# Altium PCB QCPower Rev A.PcbDoc (part 4 of 5) (continued)
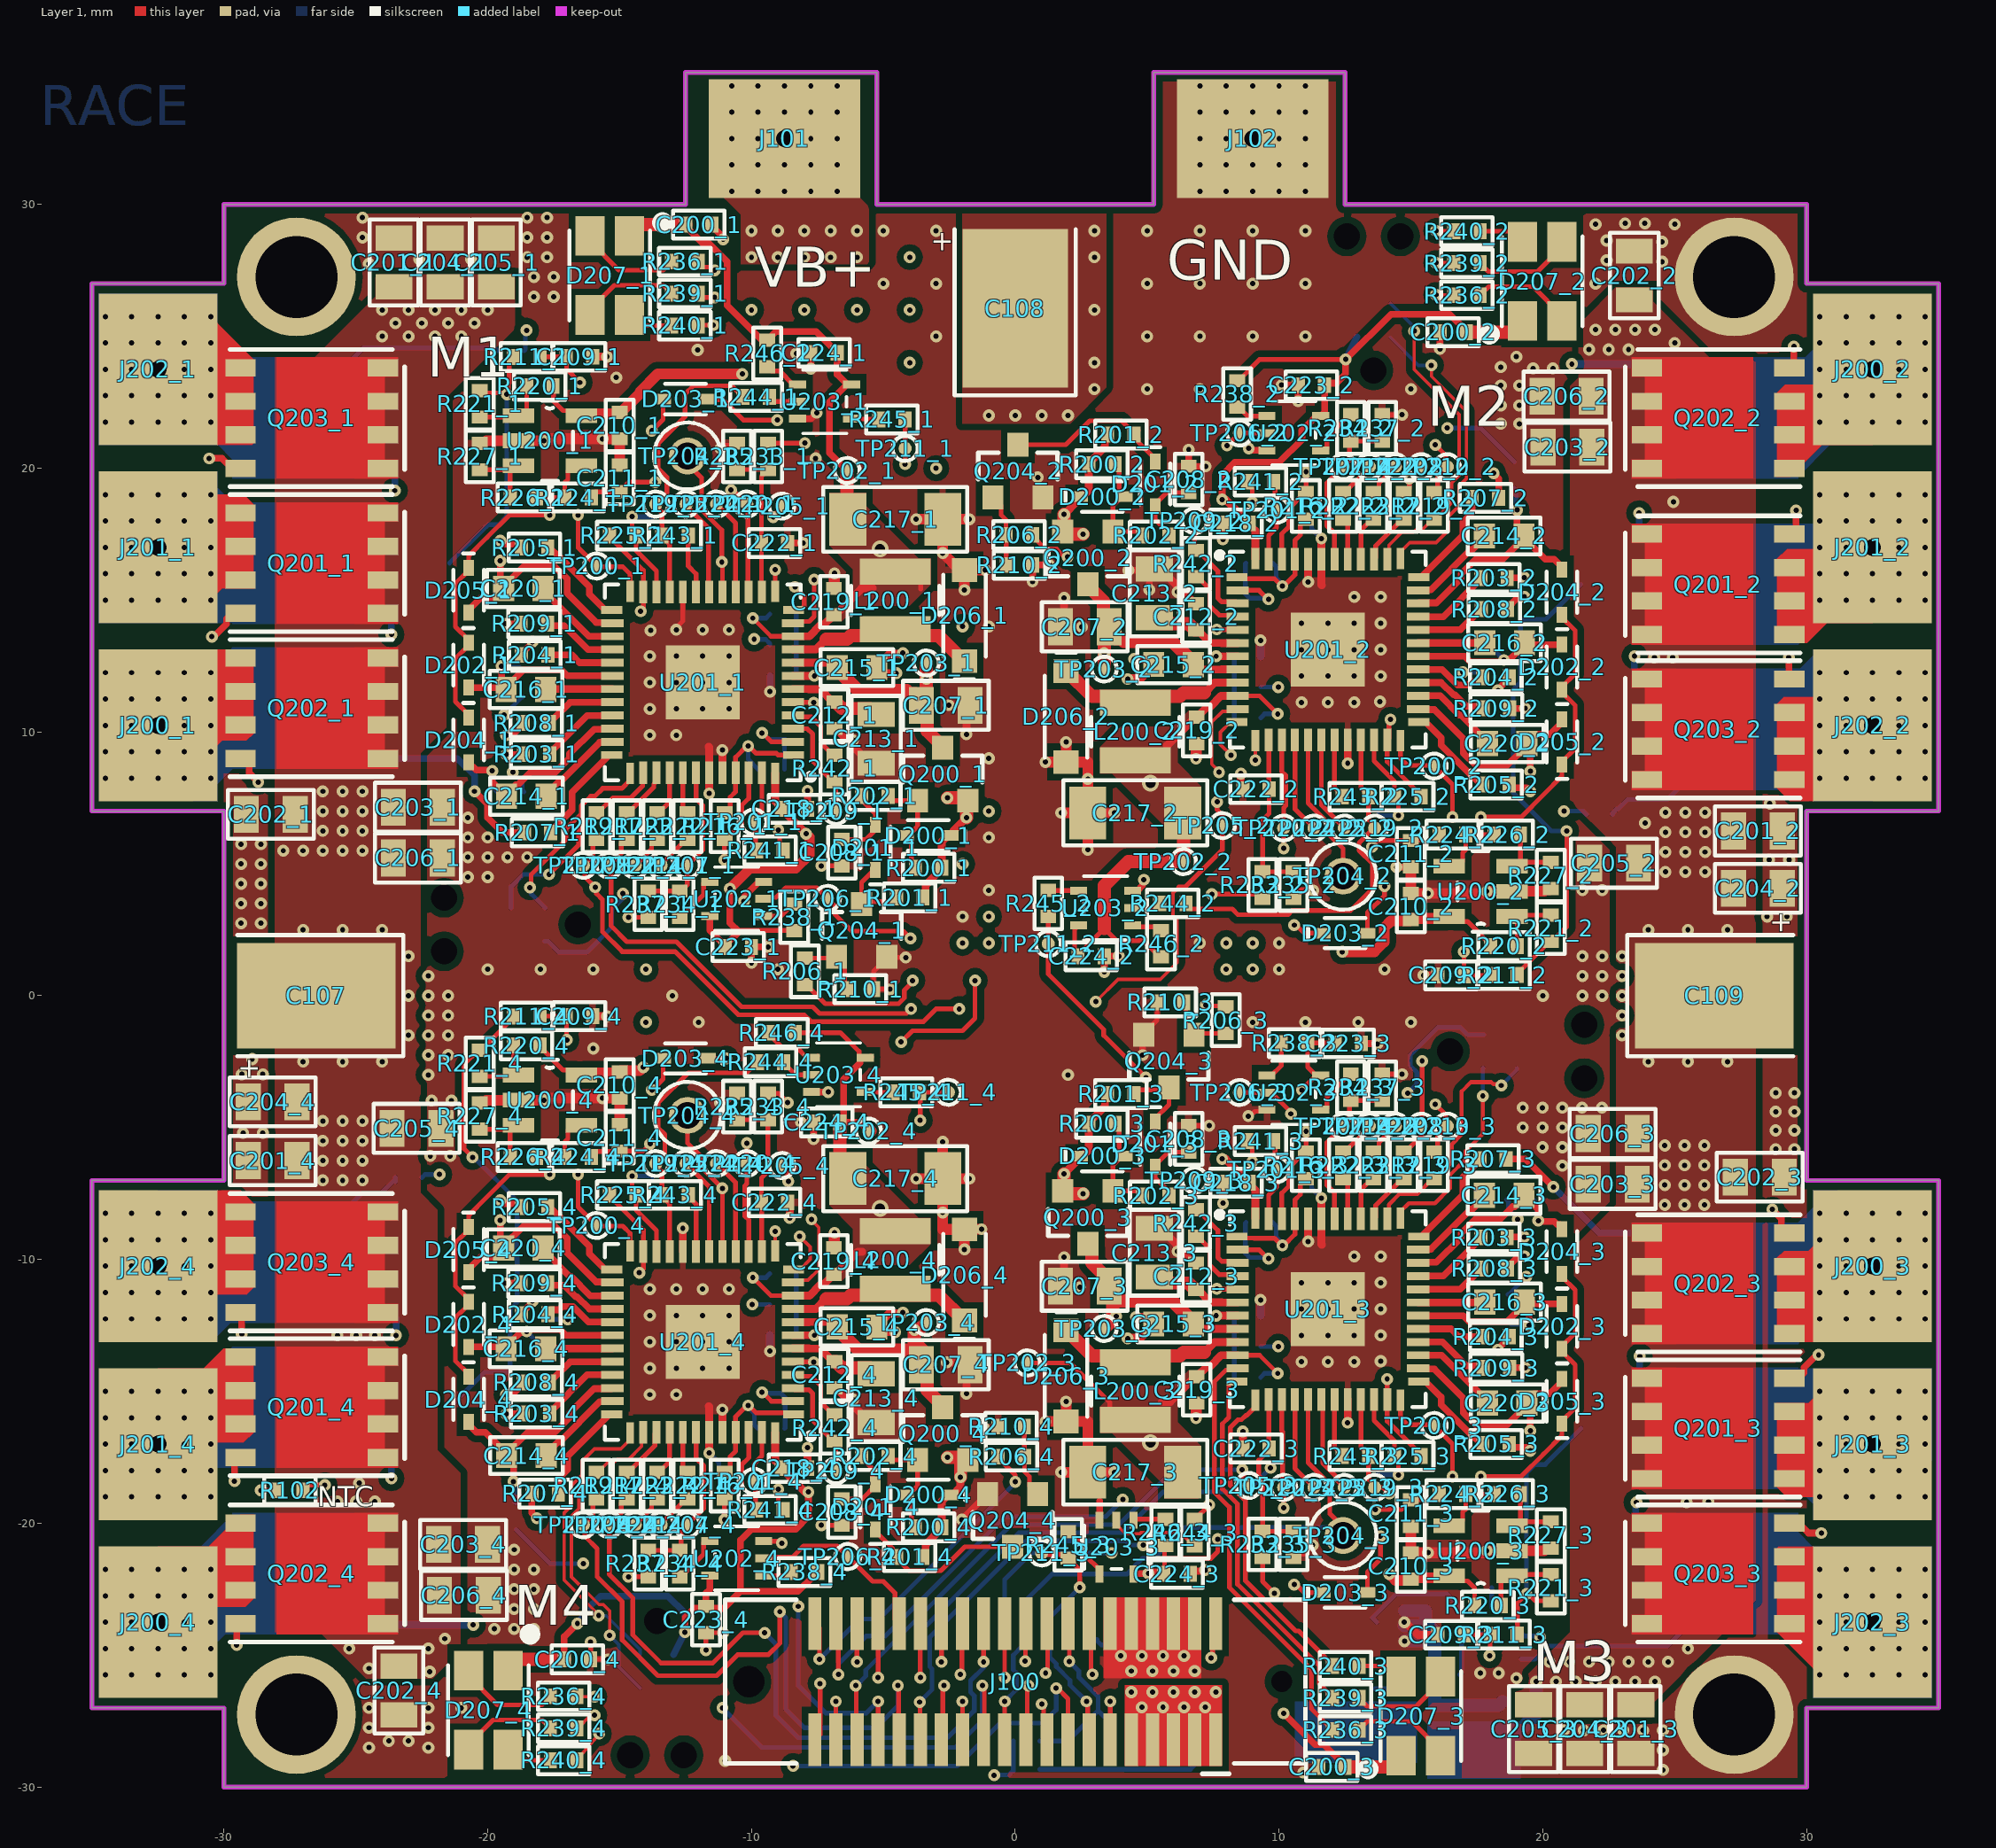
[diagram p0: Layer 1 view]
## Nets (pads, with @x,y where several pads share a name; then routed paths per layer and width w, separated by ;. In a path a pad name is that pad's centre, name@x,y a point inside that pad or via, vN(x,y) a via of type N, cw(c..) or ccw(c..) an arc to the next point about the centre after c; other vN are vias at no path point) (continued)
  Layer 1 w0.178: R233_4.1@-9.375,-3.7 -9.373,-3.702 -8.973,-3.702 v2(-8.625,-4.05) ; R233_1.1@-9.375,20.95 v2(-7.975,20.95) ; v2(7.425,-25.101) 7.477,-25.049 7.477,-23.923 J100.2@7.6,-23.8 ; v2(7.45,3.85) 9.175,3.85 9.325,3.7 R233_2.1@9.375,3.7 ; R233_3.1@9.375,-21.3 9.375,-22.2 v2(9.825,-22.65)
  Layer 1 w0.3: R201_4.1@-3.5,-21.275 -3.4,-21.175 -3.4,-20.809 -2.788,-20.198 -2.788,-19.164 -2.55,-18.925 -2.378,-18.925 -2.075,-18.622 v2(-2.075,-18.251) ; R201_1.1@-3.5,3.725 -3.4,3.825 -3.4,4.191 -2.788,4.802 R200_1.1@-2.788,4.852 -2.788,5.836 -2.55,6.075 D200_1.K@-2.448,6.075 -2.378,6.075 -2.327,6.125 -2.327,6.273 v2(-1.85,6.75) ; v2(1.85,-6.75) 2.327,-6.273 2.327,-6.125 2.378,-6.075 2.55,-6.075 2.788,-5.836 2.788,-4.802 3.4,-4.191 3.4,-3.825 R201_3.1@3.5,-3.725 ; v2(1.85,18.25) 2.327,18.727 2.327,18.875 2.378,18.925 D200_2.K@2.448,18.925 2.55,18.925 2.788,19.164 2.788,20.198 3.4,20.809 3.4,21.175 R201_2.1@3.5,21.275
  Layer 1 w0.5: v2(-2.575,-17.5) -1.8,-17.5 -2.075,-17.775 v2(-2.075,-18.251) ; v2(-2.575,7.5) -1.8,7.5 -1.85,7.45 v2(-1.85,6.75) ; v2(1.85,-6.75) 1.85,-7.45 1.8,-7.5 v2(2.575,-7.5) ; v2(1.85,18.25) 1.85,17.55 1.8,17.5 v2(2.575,17.5)
  Layer 6 w0.508: C100.1@18.466,-28.611 18.691,-28.611 18.912,-28.39 18.912,-28.165 18.925,-28.152 18.925,-28.05 19.75,-27.225 v1(19.75,-26)
  other v1: 20.5,-26 21.25,-26 22,-26 22.75,-26 23.5,-26 24.25,-26 -22.2,-25.625 -24.5,-25.5 20.25,-25.25 21,-25.25 21.75,-25.25 22.5,-25.25 23.25,-25.25 24,-25.25 24.75,-25.25 -25.25,-24.75 -22.25,-24.75 25.5,-24.75 -21.625,-24.375 25.45,-19.2 -25.7,-19.175 -24.988,-19.175 -24.275,-19.175 26.275,-19.175 -24.875,-18.475 -25.7,-12.875 -24.988,-12.875 -24.275,-12.875 24.625,-7.925 25.375,-7.925 26.125,-7.925 24.625,-7.175 25.375,-7.175 26.125,-7.175 -26.25,-7 -25.5,-7 -24.75,-7 24.625,-6.425 25.375,-6.425 26.125,-6.425 -26.25,-6.25 -25.5,-6.25 -24.75,-6.25 24.625,-5.675 25.375,-5.675 26.125,-5.675 -26.25,-5.5 -25.5,-5.5 -24.75,-5.5 -26.25,-4.75 -25.5,-4.75 -24.75,-4.75 -27,-2.5 -25.5,-2.5 -24,-2.5 24,-2.5 25.5,-2.5 27,-2.5 -23,-1.5 23,-1.5 -14,-1 -23,0 23,0 -14,1 8,1 9,1 -23,1.5 23,1.5 -2,2 -1,2 8,2 9,2 -27,2.5 -25.5,2.5 -24,2.5 24,2.5 25.5,2.5 27,2.5 -1,3 24.65,4.7 25.4,4.7 26.15,4.7 -2,5 24.65,5.45 25.4,5.45 26.15,5.45 -27.75,5.5 -27,5.5 -26.25,5.5 -25.5,5.5 -24.75,5.5 24.65,6.2 25.4,6.2 26.15,6.2 -26.25,6.25 -25.5,6.25 -24.75,6.25 23.875,6.55 24.65,6.95 25.4,6.95 26.15,6.95 -26.25,7 -25.5,7 -24.75,7 -1,7 -26.25,7.75 -25.5,7.75 -24.75,7.75 24.225,12.825 24.925,12.825 -2,14 24.95,18.725 -3,20 -1,22 0,22 1,22 2,22 3,23 -4,24 3,24 21.75,24.5 22.5,24.5 23.25,24.5 25,24.75 -24,25 -23,25 -22,25 -21,25 22,25.25 22.75,25.25 23.5,25.25 24.25,25.25 -23.5,25.5 -22.5,25.5 -21.5,25.5 -20.5,25.5 -24,26 -23,26 -22,26 -21,26 -20,26 -10,26 -8,26 -6,26 -4,26 3,26 -10,28 -9,28 -8,28 -7,28 -6,28 -4,28 3,28 -10,29 -9,29 -8,29 -7,29 -6,29 3,29
  other v3: -10.75,30.5 -9.75,30.5 -8.75,30.5 -7.75,30.5 -6.75,30.5 -10.75,31.5 -9.75,31.5 -8.75,31.5 -7.75,31.5 -6.75,31.5 -10.75,32.5 -9.75,32.5 -7.75,32.5 -6.75,32.5 -10.75,33.5 -9.75,33.5 -8.75,33.5 -7.75,33.5 -6.75,33.5 -10.75,34.5 -9.75,34.5 -8.75,34.5 -7.75,34.5 -6.75,34.5
  other v4: -8.75,32.5
VBAT_BUS_FB_1: C222_1.1 R233_1.2 R235_1.1 U201_1.14 | length 5.9
  Layer 1 w0.178: R235_1.1@-10.55,19.95 R233_1.2@-9.375,19.95 -9.625,19.7 C222_1.1@-9.625,17.165 -9.625,15.326 U201_1.14@-9.602,15.303
VBAT_BUS_FB_2: C222_2.1 R233_2.2 R235_2.1 U201_2.14 | length 6.3
  Layer 1 w0.178: U201_2.14@9.602,9.697 9.614,9.686 9.614,7.846 C222_2.1@9.625,7.835 9.625,6.91 9.375,6.659 R233_2.2@9.375,4.7 R235_2.1@10.55,4.7
VBAT_BUS_FB_3: C222_3.1 R233_3.2 R235_3.1 U201_3.14 | length 6.4
  Layer 1 w0.178: U201_3.14@9.602,-15.303 9.614,-15.314 9.614,-17.154 C222_3.1@9.625,-17.165 9.625,-17.215 9.232,-17.608 9.232,-18.198 9.375,-18.341 R233_3.2@9.375,-20.3 R235_3.1@10.55,-20.3
VBAT_BUS_FB_4: C222_4.1 R233_4.2 R235_4.1 U201_4.14 | length 6.3
  Layer 1 w0.178: R235_4.1@-10.55,-4.7 R233_4.2@-9.375,-4.7 -9.375,-6.659 -9.625,-6.91 C222_4.1@-9.625,-7.835 -9.614,-7.846 -9.614,-9.686 U201_4.14@-9.602,-9.697
VDD_STPIN_1: C200_1.2 C210_1.2 C217_1.1 C218_1.2 C219_1.2 C223_1.1 C224_1.1 D207_1.1 J203_1.1 L200_1.2 R220_1.1 R231_1.1 R238_1.2 R246_1.2 TP202_1.1 U200_1.5 U201_1.10 U201_1.48 U202_1.5 U203_1.5 | length 77.7
  Layer 1 w0.178: R220_1.1@-17.525,23.118 -17.508,23.101 -17.508,22.551 -17.141,22.183 -16.639,22.183 U200_1.5@-16.449,21.993 ; -10.475,2.425 -10.425,2.475 R238_1.2@-8.375,2.475 ; v2(-9.95,14.315) -9.263,13.628 U201_1.10@-8.427,13.628 ; L200_1.2@-4.55,16.083 -3.995,16.083 -3.588,15.676 -3.588,15.425
  Layer 1 w0.254: C200_1.2@-12.5,29.235 -12.5,29.185 -11.84,28.525 -11.605,28.525 -10.919,27.839 -10.919,26.169 -9.6,24.85 R246_1.2@-9.4,24.85 -9.075,25.175 -7.55,25.175 C224_1.1@-6.75,24.375 -6.75,23.546 U203_1.5@-6.379,23.175 ; U202_1.5@-11.583,3.022 -11.583,2.483 C223_1.1@-11,1.9 ; C223_1.1@-11,1.85 C223_1.1@-11,1.9 ; v2(-10.82,4.064) -10.82,2.77 -10.475,2.425 C223_1.1@-11,1.9 ; TP202_1.1@-6.375,19.915 -7.044,20.584 -7.044,22.51 U203_1.5@-6.379,23.175 ; U203_1.5@-6.205,23.175 U203_1.5@-6.379,23.175
  Layer 1 w0.3: U201_1.48@-9.102,8.428 -9.102,7.367 -8.875,7.14 C218_1.2@-8.875,7.09 v2@-7.971,6.186 ; U201_1.10@-8.427,13.628 -7.808,13.628 -7.393,14.042 -7.273,14.042 C219_1.2@-6.875,14.44 -6.825,14.44 -5.822,15.443 -5.41,15.443
  Layer 1 w0.381: v2(-10.82,4.064) -10.059,4.825 -8.325,4.825 -7.8,5.35 -7.8,6.015 v2(-7.928,6.143) v2@-7.971,6.186
  Layer 1 w0.406: U200_1.5@-16.449,21.993 -16.373,22.069 -15.047,22.069 C210_1.2@-15,22.115 -14.95,22.115 -14.227,22.839 -14.227,22.898 -13.55,23.575 v2(-10.35,23.575)
  Layer 1 w0.5: D207_1.1@-14.625,28.81 -14.2,29.235 C200_1.2@-12.5,29.235 ; TP202_1.1@-6.375,19.915 -6.375,18.09 C217_1.1@-6.35,18.065
  Layer 3 w0.178: v2(-14.876,3.875) -11.083,3.875 -10.894,4.064 v2(-10.82,4.064)
  Layer 3 w0.5: v2(-10.35,23.575) -10.35,22.165 v5(-5.125,16.94) ; v2(-7.928,6.143) -7.883,6.143 v2@-7.843,6.103
  Layer 3 w1: v2(-7.928,6.143) -7.004,7.067 -7.004,10.044 -6.484,10.564 -6.484,12.052 -5.125,13.411 v5(-5.125,16.94)
  Layer 6 w0.178: J203_1.1@-17.845,2.066 -17.707,2.066 -17.291,1.65 -16.245,1.65 -15.3,2.595 -15.3,3.266 -14.876,3.69 v2(-14.876,3.875) ; v2(-9.95,14.315) -9.45,14.315 R231_1.1@-9.3,14.465
VDD_STPIN_2: C200_2.2 C210_2.2 C217_2.1 C218_2.2 C219_2.2 C223_2.1 C224_2.1 D207_2.1 J203_2.1 L200_2.2 R220_2.1 R231_2.1 R238_2.2 R246_2.2 TP202_2.1 U200_2.5 U201_2.10 U201_2.48 U202_2.5 U203_2.5 | length 73.1
  Layer 1 w0.178: C224_2.1@2.375,1.5 C224_2.1@2.375,1.55 ; U203_2.5@2.403,2.675 2.25,2.522 2.25,1.675 C224_2.1@2.375,1.55 ; R246_2.2@5.525,1.475 5.475,1.475 4.857,2.093 3.832,2.093 3.375,2.55 C224_2.1@2.375,1.55 ; R238_2.2@8.407,23.317 8.457,23.317 9.265,24.125 v1(12.525,24.125) ; U201_2.10@8.427,11.372 9.263,11.372 v2(9.95,10.685) ; R238_2.2@8.509,23.317 R238_2.2@8.559,23.317 ; 10.865,21.43 10.865,21.435 ; U200_2.5@16.449,3.007 16.639,2.817 17.141,2.817 18.025,1.932 R220_2.1@18.025,1.882
  Layer 1 w0.254: v2(7.843,18.814) 7.843,19.743 8.325,20.225 10,20.225 10.865,21.09 10.865,21.43 ; 10.865,21.435 11.409,21.978 U202_2.5@11.583,21.978 11.725,22.121 C223_2.1@11.725,23.15 11.8,23.225 12.175,23.225 12.525,23.575 v1(12.525,24.125) 14.242,25.842 16.466,25.842 17.1,25.207 C200_2.2@17.1,25.157
  Layer 1 w0.3: L200_2.2@4.55,8.917 5.401,8.917 5.746,9.263 5.746,9.481 6.825,10.56 C219_2.2@6.875,10.56 7.273,10.958 7.394,10.958 7.808,11.372 U201_2.10@8.427,11.372 ; v2@7.971,18.814 C218_2.2@8.875,17.91 8.875,17.86 9.102,17.632 U201_2.48@9.102,16.572
  Layer 1 w0.406: v2(12.4,1.668) 13.615,1.668 13.985,2.038 13.985,2.583 14.24,2.838 14.953,2.838 15.047,2.931 16.373,2.931 U200_2.5@16.449,3.007
  Layer 1 w0.5: 3.375,3.1 3.375,4.175 4.285,5.085 TP202_2.1@6.375,5.085 6.375,6.91 C217_2.1@6.35,6.935 ; C200_2.2@17.1,25.157 18.8,25.157 D207_2.1@19.225,25.582
  Layer 1 w0.508: 3.375,2.55 3.375,3.1
  Layer 3 w0.5: v5(5.125,8.06) 9.85,3.335 10.775,3.335 12.4,1.71 v2(12.4,1.668)
  Layer 3 w1: v5(5.125,8.06) 5.125,11.589 6.484,12.948 6.484,14.436 7.004,14.956 7.004,17.975 v2(7.843,18.814)
  Layer 6 w0.178: R231_2.1@9.3,10.535 9.45,10.685 v2(9.95,10.685)
  Layer 6 w0.254: v1(12.525,24.125) J203_2.1@12.95,24.98
VDD_STPIN_3: C200_3.2 C210_3.2 C217_3.1 C218_3.2 C219_3.2 C223_3.1 C224_3.1 D207_3.1 J203_3.1 L200_3.2 R220_3.1 R231_3.1 R238_3.2 R246_3.2 TP202_3.1 U200_3.5 U201_3.10 U201_3.48 U202_3.5 U203_3.5 | length 75
  Layer 1 w0.178: TP202_3.1@0.457,-13.919 2.083,-13.919 3.588,-15.425 3.588,-15.676 3.995,-16.083 L200_3.2@4.55,-16.083 ; C224_3.1@5.629,-21.92 5.629,-21.87 C224_3.1@5.659,-21.84 ; C224_3.1@5.659,-21.89 C224_3.1@5.659,-21.84 ; R246_3.2@5.659,-20.876 5.659,-21.358 ; v2(7.675,-20.6) 7.675,-21.075 7.417,-21.333 5.684,-21.333 5.659,-21.358 ; U201_3.10@8.427,-13.628 9.263,-13.628 v2(9.95,-14.315) ; v2(10.865,-3.57) 10.865,-3.565 U202_3.5@11.409,-3.022 ; U202_3.5@11.583,-3.022 U202_3.5@11.409,-3.022 ; C223_3.1@12.124,-1.803 12.112,-1.792 R238_3.2@11.086,-1.792 11.086,-2.698 U202_3.5@11.409,-3.022 ; U200_3.5@16.449,-21.993 16.639,-22.183 17.141,-22.183 17.416,-22.458 R220_3.1@17.416,-23.118 ; C224_3.1@5.659,-21.84 5.659,-21.358
  Layer 1 w0.254: U203_3.5@4.485,-21.927 4.499,-21.913 5.037,-21.913 v2(5.05,-21.9) ; C224_3.1@5.629,-21.92 C224_3.1@5.659,-21.89 ; R246_3.2@5.659,-20.876 R246_3.2@5.69,-20.845 ; v2(10.17,-27.203) 11.355,-28.389 11.704,-28.389 12.5,-29.185 C200_3.2@12.5,-29.235
  Layer 1 w0.3: 5.563,-15.392 5.873,-15.392 6.825,-14.44 C219_3.2@6.875,-14.44 7.273,-14.042 7.393,-14.042 7.808,-13.628 U201_3.10@8.427,-13.628 ; v2(7.843,-6.186) 7.971,-6.186 C218_3.2@8.875,-7.09 8.875,-7.14 9.102,-7.367 U201_3.48@9.102,-8.428
  Layer 1 w0.381: v2(5.05,-21.9) 5.06,-21.91 5.619,-21.91 C224_3.1@5.629,-21.92
  Layer 1 w0.406: v2(14.173,-21.92) 14.415,-22.162 14.953,-22.162 C210_3.2@15,-22.115 15.047,-22.069 16.373,-22.069 U200_3.5@16.449,-21.993
  Layer 1 w0.5: C217_3.1@6.35,-18.065 C217_3.1@6.375,-18.09 ; C200_3.2@12.5,-29.235 14.2,-29.235 D207_3.1@14.625,-28.81
  Layer 3 w0.178: v2(10.865,-3.57) 10.986,-3.69 v2(14.875,-3.69)
  Layer 3 w0.254: v2(10.17,-27.203) 11.765,-25.608 11.765,-22.29
  Layer 3 w0.5: v5(5.125,-16.94) 5.187,-17.002 5.73,-17.545 5.73,-18.655 v2(7.675,-20.6) 8.74,-21.665 11.14,-21.665 11.765,-22.29 12.135,-21.92 v2(14.173,-21.92) ; v2(7.843,-6.186) 8.062,-6.186 9.437,-4.811 9.437,-4.634 10.501,-3.57 v2(10.865,-3.57)
  Layer 3 w1: v5(5.125,-16.94) 5.125,-13.411 6.484,-12.052 6.484,-10.564 7.004,-10.044 7.004,-7.025 v2(7.843,-6.186)
  Layer 6 w0.178: R231_3.1@9.3,-14.465 9.45,-14.315 v2(9.95,-14.315) ; v2(14.875,-3.69) 15.225,-3.341 15.225,-2.908 14.982,-2.665 14.982,-2.243 16.029,-1.196 16.864,-1.196 17.143,-1.475 J203_3.1@17.755,-1.475
VDD_STPIN_4: C200_4.2 C210_4.2 C217_4.1 C218_4.2 C219_4.2 C223_4.1 C224_4.1 D207_4.1 J203_4.1 L200_4.2 R220_4.1 R231_4.1 R238_4.2 R246_4.2 TP202_4.1 U200_4.5 U201_4.10 U201_4.48 U202_4.5 U203_4.5 | length 69.8
  Layer 1 w0.178: R220_4.1@-18.025,-1.882 -18.025,-1.932 -17.141,-2.817 -16.639,-2.817 U200_4.5@-16.449,-3.007 ; v2(-9.95,-10.685) -9.263,-11.372 U201_4.10@-8.427,-11.372 ; R246_4.2@-8.35,-1.4 -6.63,-1.4 -5.918,-2.112 -5.918,-2.286 -5.857,-2.347 U203_4.5@-5.683,-2.347
  Layer 1 w0.254: C200_4.2@-17.1,-25.207 C200_4.2@-17.1,-25.157 -17.1,-24.3 v2(-16.6,-23.8) ; v1(-12.525,-24.125) -12.525,-23.575 -12.175,-23.225 -11.8,-23.225 C223_4.1@-11.725,-23.15 ; U202_4.5@-11.409,-21.978 U202_4.5@-11.583,-21.978 -11.583,-22.505 -11.725,-22.647 C223_4.1@-11.725,-23.15 ; v2(-7.843,-18.814) -7.843,-19.743 -8.325,-20.225 -10,-20.225 -10.414,-20.639 -10.414,-22.581 ; R238_4.2@-7.493,-21.844 -7.493,-21.894 -7.616,-22.017 -7.666,-22.017 -8.23,-22.581 -10.414,-22.581 ; U203_4.5@-5.857,-2.347 -5.88,-2.37 -5.88,-2.544 -6.502,-3.166 -6.502,-4.658 C224_4.1@-6.645,-4.801 -5.893,-4.801 TP202_4.1@-5.563,-5.131 ; U203_4.5@-5.683,-2.347 -5.509,-2.347 U203_4.5@-5.486,-2.324 ; C223_4.1@-11.725,-23.15 -11.65,-23.225 -11.058,-23.225 -10.414,-22.581
  Layer 1 w0.3: U201_4.48@-9.102,-16.572 -9.102,-17.633 -8.875,-17.86 C218_4.2@-8.875,-17.91 v2@-7.971,-18.814 ; U201_4.10@-8.427,-11.372 -7.808,-11.372 -7.393,-10.958 -7.273,-10.958 C219_4.2@-6.875,-10.56 -6.825,-10.56 -5.968,-9.703 -5.817,-9.703
  Layer 1 w0.406: U200_4.5@-16.449,-3.007 -16.373,-2.931 -15.047,-2.931 C210_4.2@-15,-2.885 -14.953,-2.838 -14.24,-2.838 -14.112,-2.71 v2(-14.1,-2.71)
  Layer 1 w0.5: D207_4.1@-19.225,-25.582 -18.8,-25.157 C200_4.2@-17.1,-25.157 ; C224_4.1@-6.645,-4.801 -6.645,-6.639 C217_4.1@-6.35,-6.935
  Layer 3 w0.5: v2(-14.1,-2.71) -11.765,-2.71 -11.14,-3.335 -10.601,-3.335 -7.896,-6.04 -7.145,-6.04 v5(-5.125,-8.06)
  Layer 3 w1: v2(-7.843,-18.814) -7.004,-17.975 -7.004,-14.956 -6.484,-14.436 -6.484,-12.948 -5.125,-11.589 v5(-5.125,-8.06)
  Layer 6 w0.178: v2(-9.95,-10.685) -9.45,-10.685 R231_4.1@-9.3,-10.535
  Layer 6 w0.254: v2(-16.6,-23.8) -16.6,-23.747 -16.275,-23.422 -16.275,-23.302 -15.731,-22.758 -13.167,-22.758 -12.525,-23.4 v1(-12.525,-24.125) J203_4.1@-12.95,-24.98
VM_1: C207_1.1 C215_1.1 D203_1.K Q200_1.3 TP203_1.1 U201_1.8 | length 25.2
  Layer 1 w0.178: D203_1.K@-11.648,22.625 -11.621,22.598 -11.078,22.598 -10.305,21.825 v1(-9.025,21.825)
  Layer 1 w0.3: U201_1.8@-8.427,12.628 -7.829,12.628 -7.825,12.632 -6.939,12.632 C215_1.1@-6.75,12.443
  Layer 1 w0.5: C215_1.1@-6.75,12.443 -6.75,12.368 -5.953,11.571 -4.119,11.571 -4.011,11.462 -3.786,11.462 C207_1.1@-3.561,11.237 ; C207_1.1@-3.561,10.661 -3.561,10.787 C207_1.1@-3.561,11.012 ; TP203_1.1@-3.372,12.612 v1(-3.372,12.019) -3.372,11.426 C207_1.1@-3.561,11.237 ; Q200_1.3@-2.75,9.4 -2.75,9.45 -3.336,10.036 -3.336,10.661 -3.336,10.787 C207_1.1@-3.561,11.012 ; C207_1.1@-3.561,11.012 C207_1.1@-3.561,11.237
  Layer 3 w0.178: v1(-9.025,21.825) -7.95,21.825 -4.475,18.35 -4.475,17.474 -3.804,16.803 -3.804,12.451 v1(-3.372,12.019)
VM_2: C207_2.1 C215_2.1 D203_2.K Q200_2.3 TP203_2.1 U201_2.8 | length 24.7
  Layer 1 w0.178: v1(10.575,2.679) 10.651,2.679 10.954,2.375 D203_2.K@11.648,2.375
  Layer 1 w0.3: C215_2.1@6.75,12.557 6.939,12.368 7.825,12.368 7.829,12.372 U201_2.8@8.427,12.372
  Layer 1 w0.5: Q200_2.3@2.75,15.6 2.75,15.55 3.336,14.964 3.336,14.339 3.336,14.213 C207_2.1@3.561,13.988 ; TP203_2.1@3.372,12.388 v1(3.372,12.981) 3.372,13.574 C207_2.1@3.561,13.763 ; C207_2.1@3.561,14.339 3.561,14.213 C207_2.1@3.561,13.988 ; C215_2.1@6.75,12.557 6.75,12.632 5.953,13.429 4.119,13.429 4.011,13.538 3.786,13.538 C207_2.1@3.561,13.763 ; C207_2.1@3.561,13.763 C207_2.1@3.561,13.988
  Layer 3 w0.178: v1(3.372,12.981) 3.804,12.549 3.804,8.197 9.322,2.679 v1(10.575,2.679)
VM_3: C207_3.1 C215_3.1 D203_3.K Q200_3.3 TP203_3.1 U201_3.8 | length 24.1
  Layer 1 w0.178: v1(10.575,-22.321) 10.651,-22.321 10.954,-22.625 D203_3.K@11.648,-22.625
  Layer 1 w0.3: C215_3.1@6.75,-12.443 6.939,-12.632 7.825,-12.632 7.829,-12.628 U201_3.8@8.427,-12.628
  Layer 1 w0.5: Q200_3.3@2.75,-9.4 2.9,-9.55 2.9,-10.127 3.561,-10.787 C207_3.1@3.561,-11.012 ; TP203_3.1@3.372,-12.612 3.7,-12.284 C207_3.1@3.7,-11.377 ; C207_3.1@3.561,-11.237 C207_3.1@3.7,-11.377 ; C215_3.1@6.75,-12.443 6.75,-12.368 5.953,-11.571 3.894,-11.571 C207_3.1@3.7,-11.377
  Layer 3 w0.178: v1(3.825,-12.15) 3.818,-12.157 3.818,-16.743 4.95,-17.875 4.95,-18.534 8.623,-22.207 10.461,-22.207 v1(10.575,-22.321)
VM_4: C207_4.1 C215_4.1 D203_4.K Q200_4.3 TP203_4.1 U201_4.8 | length 24.7
  Layer 1 w0.178: D203_4.K@-11.648,-2.375 v1(-10.954,-2.375)
  Layer 1 w0.3: U201_4.8@-8.427,-12.372 -7.829,-12.372 -7.825,-12.368 -6.939,-12.368 C215_4.1@-6.75,-12.557
  Layer 1 w0.5: C215_4.1@-6.75,-12.557 -6.75,-12.632 -5.953,-13.429 -4.119,-13.429 -4.011,-13.538 -3.786,-13.538 C207_4.1@-3.561,-13.763 ; C207_4.1@-3.561,-14.339 C207_4.1@-3.561,-13.988 ; TP203_4.1@-3.372,-12.388 -3.66,-12.675 v1(-3.825,-12.675) -3.825,-13.122 -3.372,-13.574 C207_4.1@-3.561,-13.763 ; Q200_4.3@-2.75,-15.6 -2.75,-15.55 -3.336,-14.964 -3.336,-14.213 C207_4.1@-3.561,-13.988 ; C207_4.1@-3.561,-13.988 C207_4.1@-3.561,-13.763
  Layer 3 w0.178: v1(-10.954,-2.375) -9.626,-2.375 -3.818,-8.182 -3.818,-12.668 v1(-3.825,-12.675)
VNTC: C104.1 J100.16 R103.2 TP100.1 | length 8.7
  Layer 1 w0.178: J100.16@2,-23.8 2.05,-23.85 v2(2.05,-25.238)
  Layer 6 w0.178: R103.2@0.925,-28.25 2,-28.25 ; 2,-28.25 3.143,-27.107 ; C104.1@2.1,-24.4 2.05,-24.45 v2(2.05,-25.238) 2.406,-25.594 2.406,-25.834 2.8,-26.227 2.802,-26.227 3.143,-26.568 3.143,-27.107 ; TP100.1@3.525,-28.35 3.525,-27.489 3.143,-27.107
VREG_1: C212_1.2 C213_1.1 U201_1.6 | length 3.6
  Layer 1 w0.3: U201_1.6@-8.427,11.628 -7.829,11.628 -7.825,11.624 -7.399,11.624 -6.907,11.133 C212_1.2@-6.857,11.133
  Layer 1 w0.5: C212_1.2@-6.857,11.133 -6.807,11.133 -6.565,10.89 -5.5,10.89 C213_1.1@-5.275,10.665
VREG_2: C212_2.2 C213_2.1 U201_2.6 | length 3.6
  Layer 1 w0.3: C212_2.2@6.857,13.867 6.907,13.867 7.399,13.376 7.825,13.376 7.829,13.372 U201_2.6@8.427,13.372
  Layer 1 w0.5: C213_2.1@5.275,14.335 5.5,14.11 6.565,14.11 6.807,13.867 C212_2.2@6.857,13.867
VREG_3: C212_3.2 C213_3.1 U201_3.6 | length 3.6
  Layer 1 w0.3: C212_3.2@6.857,-11.133 6.907,-11.133 7.399,-11.624 7.825,-11.624 7.829,-11.628 U201_3.6@8.427,-11.628
  Layer 1 w0.5: C213_3.1@5.275,-10.665 5.5,-10.89 6.565,-10.89 6.807,-11.133 C212_3.2@6.857,-11.133
VREG_4: C212_4.2 C213_4.1 U201_4.6 | length 3.6
  Layer 1 w0.3: U201_4.6@-8.427,-13.372 -7.829,-13.372 -7.825,-13.376 -7.399,-13.376 -6.907,-13.867 C212_4.2@-6.857,-13.867
  Layer 1 w0.5: C212_4.2@-6.857,-13.867 -6.807,-13.867 -6.565,-14.11 -5.5,-14.11 C213_4.1@-5.275,-14.335
XTRA_COMM_A_1: R222_1.1 TP214_1.1 | length 1.4
  Layer 1 w0.178: TP214_1.1@-13.424,4.941 -13.424,4.978 R222_1.1@-12.473,5.929
XTRA_COMM_A_2: R222_2.1 TP214_2.1 | length 1.4
  Layer 1 w0.178: R222_2.1@12.423,19.071 12.473,19.071 13.424,20.022 TP214_2.1@13.424,20.059
XTRA_COMM_A_3: R222_3.1 TP214_3.1 | length 1.4
  Layer 1 w0.178: R222_3.1@12.423,-5.929 12.473,-5.929 13.424,-4.978 TP214_3.1@13.424,-4.941
XTRA_COMM_A_4: R222_4.1 TP214_4.1 | length 1.4
  Layer 1 w0.178: TP214_4.1@-13.424,-20.059 -13.424,-20.022 -12.473,-19.071 R222_4.1@-12.423,-19.071
XTRA_COMM_B_1: R223_1.1 TP222_1.1 | length 1.4
  Layer 1 w0.178: TP222_1.1@-14.408,4.941 -13.786,5.564 -13.786,5.768 -13.625,5.929 R223_1.1@-13.575,5.929
XTRA_COMM_B_2: R223_2.1 TP222_2.1 | length 1.4
  Layer 1 w0.178: R223_2.1@13.575,19.071 13.625,19.071 13.786,19.232 13.786,19.436 TP222_2.1@14.409,20.059
XTRA_COMM_B_3: R223_3.1 TP222_3.1 | length 1.4
  Layer 1 w0.178: R223_3.1@13.575,-5.929 13.625,-5.929 13.786,-5.768 13.786,-5.564 TP222_3.1@14.408,-4.941
XTRA_COMM_B_4: R223_4.1 TP222_4.1 | length 1.4
  Layer 1 w0.178: TP222_4.1@-14.408,-20.059 -13.786,-19.436 -13.786,-19.232 -13.625,-19.071 R223_4.1@-13.575,-19.071
ZCU_1: R241_1.1 U201_1.5 | length 7
  Layer 1 w0.178: v2(-8.986,6.288) -8.934,6.236 -8.934,5.649 R241_1.1@-8.798,5.513 ; U201_1.5@-8.427,11.128 -8.42,11.121 -7.646,11.121 v2(-7.639,11.114)
  Layer 3 w0.178: v2(-8.986,6.288) -8.318,6.955 -8.318,8.454 -7.72,9.052 -7.72,11.033 v2(-7.639,11.114)
ZCU_2: R241_2.1 U201_2.5 | length 7
  Layer 1 w0.178: v2(7.639,13.886) 7.647,13.879 8.42,13.879 U201_2.5@8.427,13.872 ; R241_2.1@8.798,19.487 8.959,19.326 8.959,19.231 8.986,19.204 v2(8.986,18.712)
  Layer 3 w0.178: v2(7.639,13.886) 7.72,13.967 7.72,15.948 8.318,16.546 8.318,18.045 v2(8.986,18.712)
ZCU_3: R241_3.1 U201_3.5 | length 7
  Layer 1 w0.178: v2(7.639,-11.114) 7.646,-11.121 8.42,-11.121 U201_3.5@8.427,-11.128 ; R241_3.1@8.798,-5.513 8.959,-5.674 8.959,-5.769 8.986,-5.796 v2(8.986,-6.288)
  Layer 3 w0.178: v2(7.639,-11.114) 7.72,-11.033 7.72,-9.052 8.318,-8.454 8.318,-6.955 v2(8.986,-6.288)
ZCU_4: R241_4.1 U201_4.5 | length 7
  Layer 1 w0.178: v2(-8.986,-18.712) -8.986,-19.204 -8.959,-19.231 -8.959,-19.326 R241_4.1@-8.798,-19.487 ; U201_4.5@-8.427,-13.872 -8.42,-13.879 -7.646,-13.879 v2(-7.639,-13.886)
  Layer 3 w0.178: v2(-8.986,-18.712) -8.318,-18.045 -8.318,-16.546 -7.72,-15.948 -7.72,-13.967 v2(-7.639,-13.886)
ZCV_1: R242_1.1 U201_1.4 | length 2.6
  Layer 1 w0.178: U201_1.4@-8.427,10.628 -8.375,10.576 -7.736,10.576 -7.373,10.213 -7.373,9.588 -6.9,9.115 R242_1.1@-6.85,9.115
ZCV_2: R242_2.1 U201_2.4 | length 2.6
  Layer 1 w0.178: R242_2.1@6.85,15.885 6.9,15.885 7.373,15.412 7.373,14.787 7.736,14.424 8.375,14.424 U201_2.4@8.427,14.372
ZCV_3: R242_3.1 U201_3.4 | length 2.6
  Layer 1 w0.178: R242_3.1@6.85,-9.115 6.9,-9.115 7.373,-9.588 7.373,-10.213 7.736,-10.576 8.375,-10.576 U201_3.4@8.427,-10.628
ZCV_4: R242_4.1 U201_4.4 | length 2.6
  Layer 1 w0.178: U201_4.4@-8.427,-14.372 -8.375,-14.424 -7.736,-14.424 -7.373,-14.787 -7.373,-15.412 -6.9,-15.885 R242_4.1@-6.85,-15.885
ZCW_1: R243_1.1 U201_1.19 | length 2.3
  Layer 1 w0.178: R243_1.1@-12.397,17.45 -12.397,16.289 -12.102,15.995 U201_1.19@-12.102,15.303
ZCW_2: R243_2.1 U201_2.19 | length 2.3
  Layer 1 w0.178: U201_2.19@12.102,9.697 12.102,7.894 12.397,7.6 R243_2.1@12.397,7.55
ZCW_3: R243_3.1 U201_3.19 | length 2.3
  Layer 1 w0.178: U201_3.19@12.102,-15.303 12.102,-17.105 12.397,-17.4 R243_3.1@12.397,-17.45
ZCW_4: R243_4.1 U201_4.19 | length 2.3
  Layer 1 w0.178: R243_4.1@-12.397,-7.55 -12.397,-7.6 -12.102,-7.895 U201_4.19@-12.102,-9.697
pads on no net: J100.M1 J203_1.0 J203_1.3 J203_1.6 J203_2.0 J203_2.3 J203_2.6 J203_3.0 J203_3.3 J203_3.6 J203_4.0 J203_4.3 J203_4.6

## Polygon pours and split planes (outlines as drawn)
VBAT on Layer 1 "VBAT" (solid, pour order 178): 3.454,29.667 3.454,23.063 2.083,21.692 -2,21.692 -2,29.667
VBAT on Layer 1 "VBAT_L01_P176" (solid, pour order 176): -11.659,30.861 -10.404,29.606 -10.404,27.735 -5.622,27.735 -5.545,27.812 -5.545,29.92 -6.486,30.861
VDD_STPIN_3 on Layer 1 "VDD STSPIN" (solid, pour order 174): 5.65,-19.065 5.65,-18.565 3.663,-16.578 3.204,-16.578 3.204,-15.587 4.001,-14.79 5.975,-14.79 6.575,-14.19 6.925,-14.54 6.15,-15.315 6.15,-16.165 7.05,-17.065 7.05,-19.065
VDD_STPIN_2 on Layer 1 "VDD STSPIN" (solid, pour order 172): 5.65,5.935 5.65,6.435 3.663,8.422 3.204,8.422 3.204,9.413 4.001,10.21 5.975,10.21 6.575,10.81 6.925,10.46 6.15,9.685 6.15,8.835 7.05,7.935 7.05,5.935
VDD_STPIN_1 on Layer 1 "VDD STSPIN" (solid, pour order 170): -5.65,19.065 -5.65,18.565 -3.663,16.578 -3.204,16.578 -3.204,15.587 -4.001,14.79 -5.975,14.79 -6.575,14.19 -6.925,14.54 -6.15,15.315 -6.15,16.165 -7.05,17.065 -7.05,19.065
VDD_STPIN_4 on Layer 1 "VDD STSPIN" (solid, pour order 168): -5.65,-5.935 -5.65,-6.435 -3.663,-8.422 -3.204,-8.422 -3.204,-9.413 -4.001,-10.21 -5.975,-10.21 -6.575,-10.81 -6.925,-10.46 -6.15,-9.685 -6.15,-8.835 -7.05,-7.935 -7.05,-5.935
GND on Layer 1 "Ground Pour L1" (solid, remove dead copper, pour order 204): 35,35 35,-30 -35,-30 -35,35
VBAT on Layer 1 "VBAT R" (solid, pour order 188): 22.77,26.855 21.354,25.44 21.354,23.433 21.031,23.11 21.031,17.577 21.031,7.391 22.784,5.639 22.784,-7.916 21.031,-9.669 21.031,-24.13 18.95,-26.211 18.95,-27.35 24.225,-27.35 24.225,-26.775 28.075,-22.925 28.075,24.2 26.3,24.2 24.17,26.33 24.17,26.855
VBAT on Layer 1 "VBAT LEFT" (solid, pour order 180): -22.55,-7.465 -21.9,-8.115 -21.9,-17.225 -21.025,-18.1 -21.025,-24.825 -22.09,-25.89 -24.61,-25.89 -26.37,-24.13 -28.075,-24.13 -28.075,24.2 -26.55,24.2 -24.25,26.5 -24.25,27.35 -18.975,27.35 -18.975,25.275 -21.575,22.675 -21.575,10.175 -22.55,9.2
GND on Layer 6 "Ground Pour L6" (solid, remove dead copper, pour order 202): 34.75,34.85 34.75,-30.15 -35.25,-30.15 -35.25,34.85
CSENSE_3 on Layer 6 "CSENSE_3" (solid, pour order 194): 24.5,-24.3 20.5,-24.3 19.85,-23.65 19.85,-10 20.275,-9.575 24.5,-9.575
V3_3D on Layer 6 "CTRL BOARD 3V3" (solid, pour order 192): 14.18,-23.049 9.996,-23.049 6.92,-26.125 4.15,-26.125 4.15,-29.616 9.169,-29.616 9.169,-26.34 10.008,-25.502 10.871,-25.502 10.901,-25.531 13.098,-25.531 14.18,-24.449
CSENSE_2 on Layer 6 "CSENSE 2" (solid, pour order 186): 24.46,7.645 24.46,23.114 19.66,23.114 19.66,7.645
CSENSE_4 on Layer 6 "CSENSE 4" (solid, pour order 184): -24.46,-7.645 -24.46,-23.114 -19.66,-23.114 -19.66,-7.645
CSENSE_1 on Layer 6 "CSENSE1" (solid, pour order 182): -24.5,24.3 -20.5,24.3 -19.85,23.65 -19.85,10 -20.275,9.575 -24.5,9.575
GND on Layer 2 "Ground Pour L2" (solid, remove dead copper, pour order 196): 35,35 35,-30 -35,-30 -35,35
VBAT on Layer 4 "VBAT Pour Layer 4" (solid, remove dead copper, pour order 198): 34.75,34.85 34.75,-30.15 -35.25,-30.15 -35.25,34.85
VBAT on Layer 5 "VBAT Pour Layer 5" (solid, remove dead copper, pour order 200): 34.75,34.85 34.75,-30.15 -35.25,-30.15 -35.25,34.85
GND on Layer 3 "Ground Pour L3" (solid, remove dead copper, pour order 206): 35,35 35,-30 -35,-30 -35,35

## Keep-outs
Keep-Out Layer:
  lines w0.178: -30,-30 30,-30 30,-27 35,-27 35,-7 30,-7 30,7 35,7 35,27 30,27 30,30 ; -30,-30 -30,-30 ; -30,-30 -30,-27 -35,-27 -35,-7 -30,-7 -30,7 -35,7 -35,27 -30,27 -30,30 ; -30,30 -30,30 ; -30,30 -27,30 ; -27,30 -27,30 ; -27,30 -12.5,30 -12.5,35 -5.25,35 -5.25,30 5.25,30 5.25,35 12.5,35 12.5,30 27,30 ; 27,30 27,30 ; 27,30 30,30 ; 30,30 30,30

## Other copper
Layer 1:
  region net GND: 7.05,-22.8 3.35,-22.8 3.35,-25.875 7.05,-25.875
  rectangle net V3_3D: 4.15,-29.2 7.85,-26.125
  pour cut-out: 27.978,24.095 28.511,24.095 28.588,24.171 28.511,24.248 28.511,24.349 28.156,24.349 28.08,24.273
  pour cut-out: -29.112,-18.4 -29.025,-18.487 -29.025,-19.125 -28.513,-19.125 -28.334,-19.304 -28.075,-19.045 -28.075,-18.196
  pour cut-out: -28.169,-7.62 -28.702,-7.62 -28.778,-7.696 -28.702,-7.772 -28.702,-7.874 -28.346,-7.874 -28.27,-7.798
  pour cut-out: 28.194,7.645 28.727,7.645 28.804,7.722 28.727,7.798 28.727,7.899 28.372,7.899 28.296,7.823
  region net OUTU_3: 30.25,-13.125 30.245,-13.13 28.875,-13.13 28.875,-9.94 29.14,-9.675 30.075,-9.675 30.5,-9.25 31.5,-9.25 32.5,-10.25 32.5,-13.125
  region net OUTV_3: 28.875,-15.44 30.06,-15.44 30.5,-15 32.5,-17 32.5,-19.875 31.375,-19.875 30.5,-19 29.245,-19 28.875,-18.63
  region net OUTW_3: 28.875,-20.94 28.94,-20.875 30.25,-20.875 31.95,-22.575 31.95,-24.85 30.975,-25.825 30.57,-25.825 28.875,-24.13
  region net OUTW_2: 30.25,7.375 29.37,7.375 28.875,7.87 28.875,11.06 29.14,11.325 30.575,11.325 31.5,12.25 32.5,11.25 32.5,8.25
  region net OUTV_2: 32.5,14.125 30.78,14.125 30.025,13.37 28.875,13.37 28.875,16.56 29.257,16.942 30.442,16.942 31.5,18 32.5,17
  region net OUTU_2: 32.5,20.875 30.58,20.875 29.375,19.67 28.875,19.67 28.875,22.86 29.18,23.165 31.915,23.165 32.5,23.75
  region net OUTU_4: -32.5,-20.875 -30.58,-20.875 -29.375,-19.67 -28.875,-19.67 -28.875,-22.86 -29.18,-23.165 -31.915,-23.165 -32.5,-23.75
  region net OUTV_4: -32.5,-14.125 -30.78,-14.125 -30.025,-13.37 -28.875,-13.37 -28.875,-16.56 -29.257,-16.942 -30.442,-16.942 -31.5,-18 -32.5,-17
  region net OUTW_4: -30.25,-7.375 -29.37,-7.375 -28.875,-7.87 -28.875,-11.06 -29.14,-11.325 -30.575,-11.325 -31.5,-12.25 -32.5,-11.25 -32.5,-8.25
  region net OUTW_1: -28.875,20.94 -28.94,20.875 -30.25,20.875 -31.95,22.575 -31.95,24.85 -30.975,25.825 -30.57,25.825 -28.875,24.13
  region net OUTV_1: -28.875,15.44 -30.06,15.44 -30.5,15 -32.5,17 -32.5,19.875 -31.375,19.875 -30.5,19 -29.245,19 -28.875,18.63
  region net OUTU_1: -30.25,13.125 -30.245,13.13 -28.875,13.13 -28.875,9.94 -29.14,9.675 -30.075,9.675 -30.5,9.25 -31.5,9.25 -32.5,10.25 -32.5,13.125
  text "SIGNAL" at -45.05,45.5 h1.52
Layer 2:
  text "GND" at -45.05,43 h1.52
Layer 5:
  text "VBAT" at -45.05,35.5 h1.52
Layer 3:
  text "TRACE" at -45.05,40.5 h1.52
Layer 4:
  text "VBAT" at -45.05,38 h1.52